# Altium PCB CHAHARDOLI-7 ADAD METAL.PcbDoc (part 3 of 10)
Units mm, origin at the board's own origin, x right, y up, seen from the top; angles counter-clockwise.
Board outline 151 x 86.38 mm, 2 copper layers (Top Layer, Bottom Layer); 1512 components, 81 nets, 3736 pads, 768 vias.
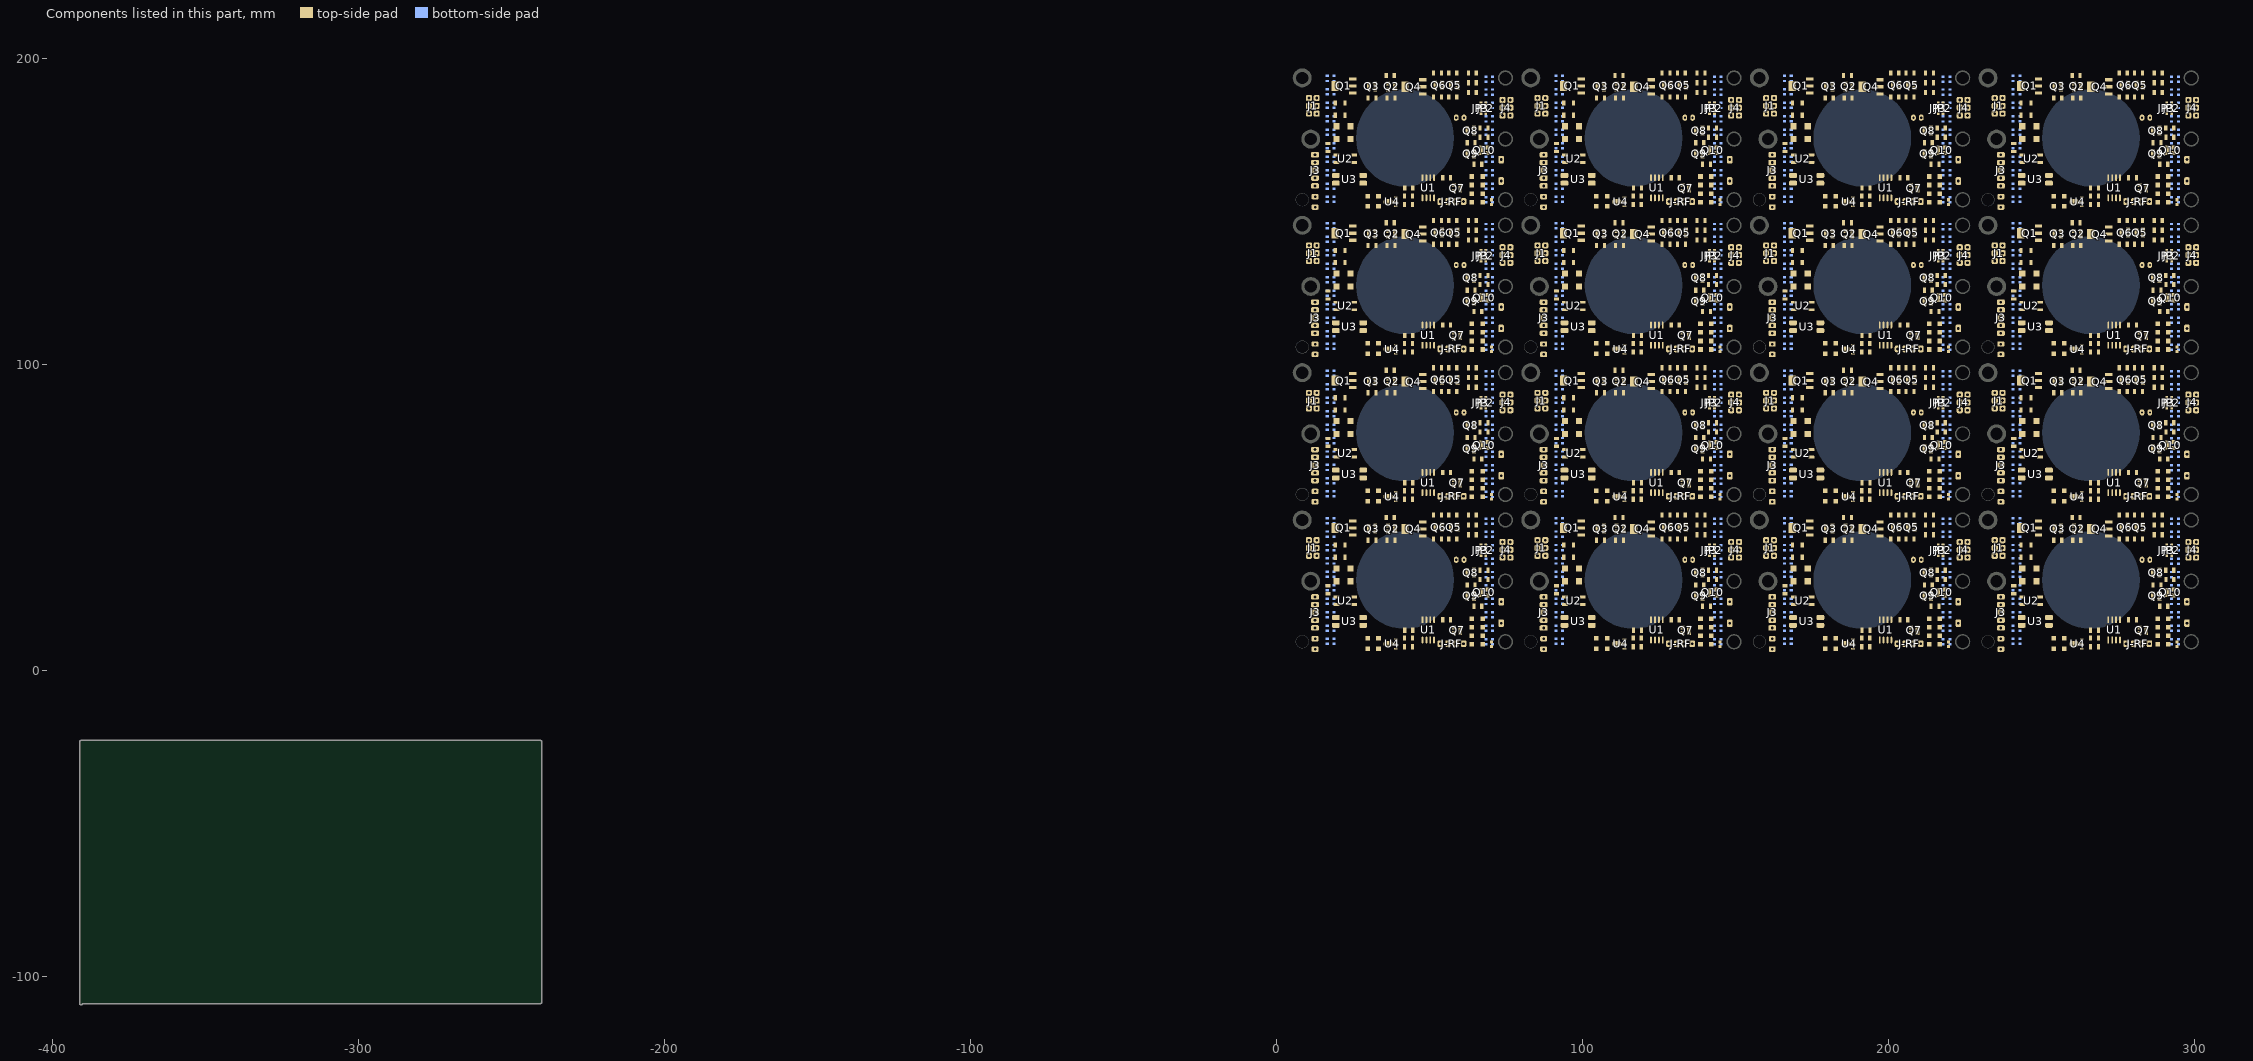
[diagram p3: the components of this part, seen from the top]

## Via types
v1: diameter 1.2, hole 0.6, Top Layer to Bottom Layer, 496 vias
v2: diameter 1, hole 0.6, Top Layer to Bottom Layer, 128 vias
v3: diameter 0.9, hole 0.6, Top Layer to Bottom Layer, 128 vias
v4: diameter 1.27, hole 0.6, Top Layer to Bottom Layer, 16 vias

## Nets (pads, with @x,y where several pads share a name; then routed paths per layer and width w, separated by ;. In a path a pad name is that pad's centre, name@x,y a point inside that pad or via, vN(x,y) a via of type N, cw(c..) or ccw(c..) an arc to the next point about the centre after c; other vN are vias at no path point) (continued)
copper on no net: | length 34524
  Top Layer w0.4: v1(20.897,8.491) 21.113,8.491 21.731,9.11 23.036,9.11 v1(24.836,10.91) ; v1(20.897,56.636) 21.113,56.636 21.731,57.255 23.036,57.255 v1(24.836,59.055) ; v1(20.897,104.781) 21.113,104.781 21.731,105.4 23.036,105.4 v1(24.836,107.2) ; v1(20.897,152.927) 21.113,152.927 21.731,153.545 23.036,153.545 v1(24.836,155.345) ; v1(22.784,7.55) 22.784,7.593 22.901,7.71 24.162,7.71 26.162,9.71 v1(26.736,9.71) ; v1(22.784,55.695) 22.784,55.738 22.901,55.855 24.162,55.855 26.162,57.855 v1(26.736,57.855) ; v1(22.784,103.84) 22.784,103.883 22.901,104 24.162,104 26.162,106 v1(26.736,106) ; v1(22.784,151.985) 22.784,152.029 22.901,152.145 24.162,152.145 26.162,154.145 v1(26.736,154.145) ; v1(45.936,16.91) 46.136,16.91 v1@46.336,17.11 ; v1(45.936,65.055) 46.136,65.055 v1@46.336,65.255 ; v1(45.936,113.2) 46.136,113.2 v1@46.336,113.4 ; v1(45.936,161.345) 46.136,161.345 v1@46.336,161.545 ; v1(95.585,8.491) 95.801,8.491 96.419,9.11 97.724,9.11 v1(99.524,10.91) ; v1(95.585,56.636) 95.801,56.636 96.419,57.255 97.724,57.255 v1(99.524,59.055) ; v1(95.585,104.781) 95.801,104.781 96.419,105.4 97.724,105.4 v1(99.524,107.2) ; v1(95.585,152.927) 95.801,152.927 96.419,153.545 97.724,153.545 v1(99.524,155.345) ; v1(97.472,7.55) 97.472,7.593 97.589,7.71 98.851,7.71 100.851,9.71 v1(101.424,9.71) ; v1(97.472,55.695) 97.472,55.738 97.589,55.855 98.851,55.855 100.851,57.855 v1(101.424,57.855) ; v1(97.472,103.84) 97.472,103.883 97.589,104 98.851,104 100.851,106 v1(101.424,106) ; v1(97.472,151.985) 97.472,152.029 97.589,152.145 98.851,152.145 100.851,154.145 v1(101.424,154.145) ; v1(120.624,16.91) 120.824,16.91 v1@121.024,17.11 ; v1(120.624,65.055) 120.824,65.055 v1@121.024,65.255 ; v1(120.624,113.2) 120.824,113.2 v1@121.024,113.4 ; v1(120.624,161.345) 120.824,161.345 v1@121.024,161.545 ; v1(170.273,8.491) 170.489,8.491 171.108,9.11 172.412,9.11 v1(174.212,10.91) ; v1(170.273,56.636) 170.489,56.636 171.108,57.255 172.412,57.255 v1(174.212,59.055) ; v1(170.273,104.781) 170.489,104.781 171.108,105.4 172.412,105.4 v1(174.212,107.2) ; v1(170.273,152.927) 170.489,152.927 171.108,153.545 172.412,153.545 v1(174.212,155.345) ; v1(172.16,7.55) 172.16,7.593 172.277,7.71 173.539,7.71 175.539,9.71 v1(176.112,9.71) ; v1(172.16,55.695) 172.16,55.738 172.277,55.855 173.539,55.855 175.539,57.855 v1(176.112,57.855) ; v1(172.16,103.84) 172.16,103.883 172.277,104 173.539,104 175.539,106 v1(176.112,106) ; v1(172.16,151.985) 172.16,152.029 172.277,152.145 173.539,152.145 175.539,154.145 v1(176.112,154.145) ; v1(195.312,16.91) 195.512,16.91 v1@195.712,17.11 ; v1(195.312,65.055) 195.512,65.055 v1@195.712,65.255 ; v1(195.312,113.2) 195.512,113.2 v1@195.712,113.4 ; v1(195.312,161.345) 195.512,161.345 v1@195.712,161.545 ; v1(244.961,8.491) 245.177,8.491 245.796,9.11 247.1,9.11 v1(248.9,10.91) ; v1(244.961,56.636) 245.177,56.636 245.796,57.255 247.1,57.255 v1(248.9,59.055) ; v1(244.961,104.781) 245.177,104.781 245.796,105.4 247.1,105.4 v1(248.9,107.2) ; v1(244.961,152.927) 245.177,152.927 245.796,153.545 247.1,153.545 v1(248.9,155.345) ; v1(246.849,7.55) 246.849,7.593 246.965,7.71 248.227,7.71 250.227,9.71 v1(250.8,9.71) ; v1(246.849,55.695) 246.849,55.738 246.965,55.855 248.227,55.855 250.227,57.855 v1(250.8,57.855) ; v1(246.849,103.84) 246.849,103.883 246.965,104 248.227,104 250.227,106 v1(250.8,106) ; v1(246.849,151.985) 246.849,152.029 246.965,152.145 248.227,152.145 250.227,154.145 v1(250.8,154.145) ; v1(270,16.91) 270.2,16.91 v1@270.4,17.11 ; v1(270,65.055) 270.2,65.055 v1@270.4,65.255 ; v1(270,113.2) 270.2,113.2 v1@270.4,113.4 ; v1(270,161.345) 270.2,161.345 v1@270.4,161.545